# Altium PCB AL1000.PcbDoc (part 4 of 8)
Units mil, origin at the board's own origin, x right, y up, seen from the top; angles counter-clockwise.
Board outline 8277.75 x 4143.89 mil, 4 copper layers (Component Side, Ground Plane, Power Plane, Solder Side), stack 33.234 mil thick; 485 components, 360 nets, 1548 pads, 394 vias.
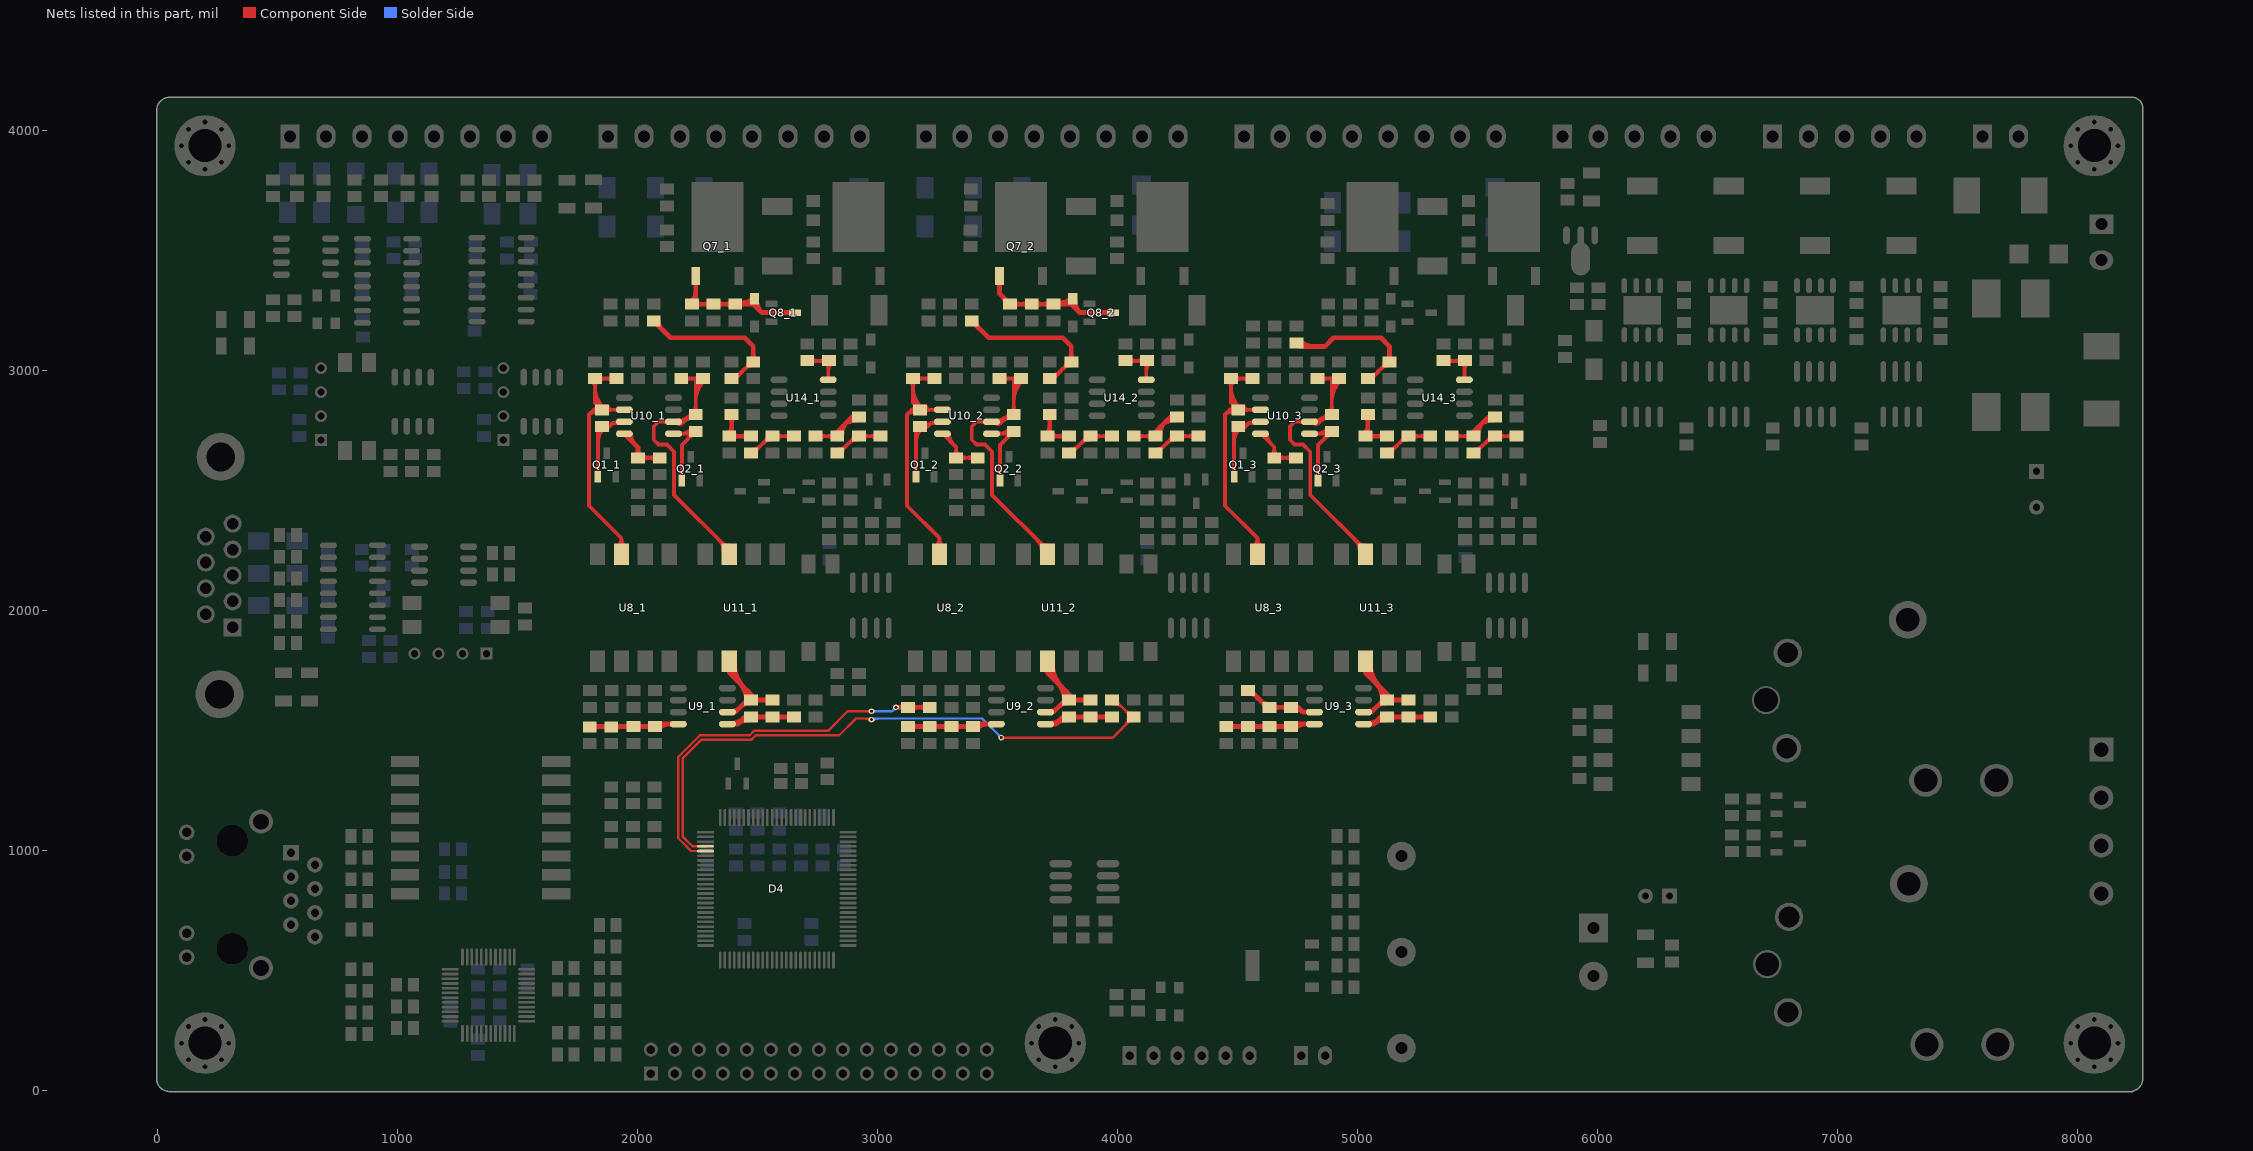
[diagram p6: the nets of this part, all layers, seen from the top]

## Via types
v1: diameter 24, hole 12, Component Side to Solder Side, tented both sides, 224 vias
v2: diameter 40, hole 20, Component Side to Solder Side, tented both sides, 140 vias
v3: diameter 50, hole 24, Component Side to Solder Side, tented both sides, 16 vias
v4: diameter 50, hole 28, Component Side to Solder Side, tented both sides, 10 vias
v5: diameter 50, hole 30, Component Side to Solder Side, tented both sides, 4 vias

## Nets (pads, with @x,y where several pads share a name; then routed paths per layer and width w, separated by ;. In a path a pad name is that pad's centre, name@x,y a point inside that pad or via, vN(x,y) a via of type N, cw(c..) or ccw(c..) an arc to the next point about the centre after c; other vN are vias at no path point) (continued)
NetC35_3_2: C35_3.2 R35_3.1 R37_3.1 U9_3.7 | length 583.2
  Component Side w20: R37_3.1@4542.95,1666.46 4553.54,1666.46 4623.62,1596.38 C35_3.2@4632.95,1596.38 R35_3.1@4722.95,1596.38 4752.99,1596.38 ; R37_3.1@4549.06,1653.62 cw(c4549.06,1611.8) 4578.63,1641.37 ; R37_3.1@4561.89,1666.46 ccw(c4582.04,1666.46) R37_3.1@4567.79,1652.21 ; 4599.43,1620.57 ccw(c4626.85,1647.99) C35_3.2@4626.85,1609.21 ; C35_3.2@4607.22,1612.78 cw(c4590.82,1596.38) C35_3.2@4614.02,1596.38 ; C35_3.2@4648.13,1587.3 cw(c4670.04,1565.39) 4670.04,1596.38 cw(c4670.04,1627.36) C35_3.2@4648.13,1605.45 ; R35_3.1@4707.78,1587.3 ccw(c4685.86,1565.39) 4685.86,1596.38 ccw(c4685.86,1627.36) R35_3.1@4707.78,1605.45 ; R35_3.1@4733.82,1584.46 cw(c4747.28,1550.75) 4772.95,1576.42 ; R35_3.1@4739.75,1589.28 cw(c4752.99,1580.48) 4752.99,1596.38 ; R35_3.1@4739.75,1603.48 ccw(c4752.99,1612.28) 4752.99,1596.38 ; U9_3.7@4820.59,1576.42 4772.95,1576.42 ; 4752.99,1596.38 4772.95,1576.42
NetC36_1_2: C36_1.2 R34_1.1 U10_1.8 | length 418.2
  Component Side w20: U10_1.8@1944.41,2736.38 2001.77,2679.02 C36_1.2@2001.77,2636.46 R34_1.1@2091.77,2636.46 ; U10_1.8@1949.84,2736.38 ccw(c1962.96,2736.38) U10_1.8@1953.68,2727.1 ; U10_1.8@1969.84,2736.38 ccw(c2031.24,2736.38) 1987.83,2692.96 ; C36_1.2@1992.7,2645.53 ccw(c1970.79,2667.44) 2001.77,2667.44 ccw(c2032.76,2667.44) C36_1.2@2010.85,2645.53 ; C36_1.2@2016.95,2627.38 cw(c2038.86,2605.47) 2038.86,2636.46 cw(c2038.86,2667.44) C36_1.2@2016.95,2645.53 ; R34_1.1@2076.59,2627.38 ccw(c2054.68,2605.47) 2054.68,2636.46 ccw(c2054.68,2667.44) R34_1.1@2076.59,2645.53
NetC36_2_2: C36_2.2 R34_2.1 U10_2.8 | length 463.5
  Component Side w16: U10_2.8@3255,2736.42 3272.36,2736.42 3327.36,2681.42 C36_2.2@3327.36,2636.46 R34_2.1@3417.36,2636.46 ; U10_2.8@3281.43,2736.38 ccw(c3303.24,2736.38) 3287.82,2720.96 ; U10_2.8@3297.43,2736.38 ccw(c3357.86,2736.38) 3315.13,2693.65 ; C36_2.2@3316.87,2646.95 ccw(c3291.55,2672.27) 3327.36,2672.27 ccw(c3363.18,2672.27) C36_2.2@3337.85,2646.95 ; C36_2.2@3343.95,2625.97 cw(c3369.28,2600.64) 3369.28,2636.46 cw(c3369.28,2672.27) C36_2.2@3343.95,2646.95 ; R34_2.1@3400.77,2625.97 ccw(c3375.45,2600.64) 3375.45,2636.46 ccw(c3375.45,2672.27) R34_2.1@3400.77,2646.95
NetC36_3_2: C36_3.2 R34_3.1 U10_3.8 | length 463.5
  Component Side w16: U10_3.8@4580.59,2736.42 4597.95,2736.42 4652.95,2681.42 C36_3.2@4652.95,2636.46 R34_3.1@4742.95,2636.46 ; U10_3.8@4607.02,2736.38 ccw(c4628.83,2736.38) 4613.41,2720.96 ; U10_3.8@4623.02,2736.38 ccw(c4683.45,2736.38) 4640.72,2693.65 ; C36_3.2@4642.46,2646.95 ccw(c4617.14,2672.27) 4652.95,2672.27 ccw(c4688.77,2672.27) C36_3.2@4663.44,2646.95 ; C36_3.2@4669.54,2625.97 cw(c4694.87,2600.64) 4694.87,2636.46 cw(c4694.87,2672.27) C36_3.2@4669.54,2646.95 ; R34_3.1@4726.36,2625.97 ccw(c4701.04,2600.64) 4701.04,2636.46 ccw(c4701.04,2672.27) R34_3.1@4726.36,2646.95
NetC37_1_2: C37_1.2 C38_1.2 C39_1.2 L5_1.2 U9_1.8 | length 717.2
  Component Side w20: L5_1.2@1800,1515.04 1801.42,1516.46 C38_1.2@1981.77,1516.46 C37_1.2@2071.77,1516.46 2084.29,1516.46 2094.25,1526.42 U9_1.8@2169.41,1526.42 ; L5_1.2@1815.18,1505.96 cw(c1840.51,1480.63) 1840.51,1516.46 ; L5_1.2@1815.18,1524.11 ccw(c1833.67,1542.6) 1833.67,1516.46 ; 1849.49,1516.46 cw(c1849.49,1480.63) C39_1.2@1874.82,1505.96 ; 1856.33,1516.46 ccw(c1856.33,1542.6) C39_1.2@1874.82,1524.11 ; C39_1.2@1905.18,1505.96 cw(c1930.51,1480.63) 1930.51,1516.46 ; C39_1.2@1905.18,1524.11 ccw(c1923.67,1542.6) 1923.67,1516.46 ; C38_1.2@1966.59,1507.38 ccw(c1944.68,1485.47) 1944.68,1516.46 ccw(c1944.68,1547.44) C38_1.2@1966.59,1525.53 ; C38_1.2@1996.95,1507.38 cw(c2018.86,1485.47) 2018.86,1516.46 cw(c2018.86,1547.44) C38_1.2@1996.95,1525.53 ; C37_1.2@2056.59,1507.38 ccw(c2034.68,1485.47) 2034.68,1516.46 ccw(c2034.68,1547.44) C37_1.2@2056.59,1525.53 ; C37_1.2@2086.95,1507.38 cw(c2132.91,1461.42) 2132.91,1526.42
NetC37_2_2: C37_2.2 C38_2.2 C39_2.2 L5_2.2 U9_2.8 | length 714.8
  Component Side w20: L5_2.2@3127.36,1516.46 C39_2.2@3217.36,1516.46 C38_2.2@3307.36,1516.46 C37_2.2@3397.36,1516.46 3409.88,1516.46 3419.84,1526.42 U9_2.8@3495,1526.42 ; L5_2.2@3142.54,1507.38 cw(c3164.45,1485.47) 3164.45,1516.46 cw(c3164.45,1547.44) L5_2.2@3142.54,1525.53 ; C39_2.2@3202.18,1507.38 ccw(c3180.27,1485.47) 3180.27,1516.46 ccw(c3180.27,1547.44) C39_2.2@3202.18,1525.53 ; C39_2.2@3232.54,1507.38 cw(c3254.45,1485.47) 3254.45,1516.46 cw(c3254.45,1547.44) C39_2.2@3232.54,1525.53 ; C38_2.2@3292.18,1507.38 ccw(c3270.27,1485.47) 3270.27,1516.46 ccw(c3270.27,1547.44) C38_2.2@3292.18,1525.53 ; C38_2.2@3322.54,1507.38 cw(c3344.45,1485.47) 3344.45,1516.46 cw(c3344.45,1547.44) C38_2.2@3322.54,1525.53 ; C37_2.2@3382.18,1507.38 ccw(c3360.27,1485.47) 3360.27,1516.46 ccw(c3360.27,1547.44) C37_2.2@3382.18,1525.53 ; C37_2.2@3412.54,1507.38 cw(c3458.5,1461.42) 3458.5,1526.42
NetC37_3_2: C37_3.2 C38_3.2 C39_3.2 L5_3.2 U9_3.8 | length 714.8
  Component Side w20: L5_3.2@4452.95,1516.46 C39_3.2@4542.95,1516.46 C38_3.2@4632.95,1516.46 C37_3.2@4722.95,1516.46 4735.47,1516.46 4745.43,1526.42 U9_3.8@4820.59,1526.42 ; L5_3.2@4468.13,1507.38 cw(c4490.04,1485.47) 4490.04,1516.46 cw(c4490.04,1547.44) L5_3.2@4468.13,1525.53 ; C39_3.2@4527.78,1507.38 ccw(c4505.86,1485.47) 4505.86,1516.46 ccw(c4505.86,1547.44) C39_3.2@4527.78,1525.53 ; C39_3.2@4558.13,1507.38 cw(c4580.04,1485.47) 4580.04,1516.46 cw(c4580.04,1547.44) C39_3.2@4558.13,1525.53 ; C38_3.2@4617.78,1507.38 ccw(c4595.86,1485.47) 4595.86,1516.46 ccw(c4595.86,1547.44) C38_3.2@4617.78,1525.53 ; C38_3.2@4648.13,1507.38 cw(c4670.04,1485.47) 4670.04,1516.46 cw(c4670.04,1547.44) C38_3.2@4648.13,1525.53 ; C37_3.2@4707.78,1507.38 ccw(c4685.86,1485.47) 4685.86,1516.46 ccw(c4685.86,1547.44) C37_3.2@4707.78,1525.53 ; C37_3.2@4738.13,1507.38 cw(c4784.09,1461.42) 4784.09,1526.42
NetC40_1_1: C40_1.1 C41_1.2 R36_1.1 U8_1.3 U10_1.6 | length 1728
  Component Side w16: C41_1.2@1811.28,2955.89 cw(c1785.96,2930.56) 1821.77,2930.56 cw(c1857.59,2930.56) C41_1.2@1832.26,2955.89 ; 1812.42,2832.03 cw(c1833.06,2811.39) C40_1.1@1846.19,2837.46 ; 1821.77,2891.3 ccw(c1900.55,2891.3) C40_1.1@1844.85,2835.59 ; 1821.77,2929.93 ccw(c1939.18,2929.93) C40_1.1@1856.16,2846.91 ; C41_1.2@1821.77,2966.38 C41_1.2@1831.77,2966.38 ; C40_1.1@1830.76,2857.43 ccw(c1845.67,2872.33) C40_1.1@1845.67,2851.25 ; C40_1.1@1830.99,2838.57 ccw(c1798.68,2843.32) 1821.77,2866.42 ; C40_1.1@1833.61,2827.78 ccw(c1816.81,2815.77) 1816.81,2836.42 ; C40_1.1@1833.61,2845.05 cw(c1816.81,2857.07) 1816.81,2836.42 ; C41_1.2@1838.36,2955.89 cw(c1863.69,2930.56) 1863.69,2966.38 cw(c1863.69,3002.19) C41_1.2@1838.36,2976.87 ; C40_1.1@1839,2823.17 ccw(c1822.58,2790.57) 1796.77,2816.38 ; C40_1.1@1868.36,2825.93 cw(c1893.69,2800.6) 1893.69,2836.42 cw(c1893.69,2872.23) C40_1.1@1868.36,2846.91 ; C40_1.1@1869.93,2827.77 cw(c1886.77,2815.69) 1886.77,2836.42 ; C40_1.1@1869.93,2845.06 ccw(c1886.77,2857.14) 1886.77,2836.42 ; R36_1.1@1895.18,2955.89 ccw(c1869.86,2930.56) 1869.86,2966.38 ccw(c1869.86,3002.19) R36_1.1@1895.18,2976.87 ; 1908.71,2836.42 cw(c1908.71,2822.33) U10_1.6@1918.67,2832.29 ; 1908.9,2836.42 ccw(c1908.9,2850.24) U10_1.6@1918.67,2840.46 ; R36_1.1@1911.77,2966.38 C41_1.2@1831.77,2966.38 ; U8_1.3@1915.82,2264.89 ccw(c1882.07,2301.37) 1931.77,2301.37 ; U10_1.6@1929.41,2836.42 1886.77,2836.42 ; U8_1.3@1931.77,2233.86 1931.77,2301.38 ; U8_1.3@1947.73,2264.89 cw(c1981.47,2301.37) 1931.77,2301.37 ; 1796.77,2816.38 1796.77,2436.38 1931.77,2301.38 ; 1796.77,2816.38 1816.81,2836.42 ; 1816.81,2836.42 C40_1.1@1851.77,2836.42 C40_1.1@1836.69,2851.5 ; 1821.77,2866.42 C40_1.1@1836.69,2851.5 ; 1821.77,2866.42 1821.77,2956.38 C41_1.2@1831.77,2966.38 ; C40_1.1@1836.69,2851.5 1871.69,2851.5 1886.77,2836.42
NetC40_1_2: C40_1.2 Q1_1.1 U10_1.7 | length 522.6
  Component Side w16: Q1_1.1@1830.28,2572.08 ccw(c1820.42,2581.95) 1834.37,2581.95 ccw(c1848.32,2581.95) Q1_1.1@1838.46,2572.08 ; Q1_1.1@1834.37,2557.17 1834.37,2748.94 C40_1.2@1851.77,2766.34 1881.69,2766.34 ; 1834.37,2703.25 cw(c1908.76,2703.25) C40_1.2@1856.16,2755.85 ; 1834.37,2741.87 cw(c1870.13,2741.87) C40_1.2@1844.85,2767.16 ; C40_1.2@1857.22,2765.38 ccw(c1868.73,2782.2) 1883.14,2767.79 ; C40_1.2@1866.25,2778.58 ccw(c1879.8,2798.38) 1896.77,2781.42 ; C40_1.2@1871.19,2759.8 cw(c1881.69,2754.64) 1881.69,2766.34 ; C40_1.2@1871.19,2772.88 ccw(c1881.69,2778.04) 1881.69,2766.34 ; 1896.83,2781.42 ccw(c1896.83,2812.31) U10_1.7@1918.67,2790.46 ; U10_1.7@1929.41,2786.42 1924.41,2781.42 1896.77,2781.42 ; 1881.69,2766.34 1896.77,2781.42
NetC40_2_1: C40_2.1 C41_2.2 R36_2.1 U8_2.3 U10_2.6 | length 1728
  Component Side w16: C41_2.2@3136.87,2955.89 cw(c3111.55,2930.56) 3147.36,2930.56 cw(c3183.18,2930.56) C41_2.2@3157.85,2955.89 ; 3138.01,2832.03 cw(c3158.65,2811.39) C40_2.1@3171.78,2837.46 ; 3147.36,2891.3 ccw(c3226.14,2891.3) C40_2.1@3170.44,2835.59 ; 3147.36,2929.93 ccw(c3264.77,2929.93) C40_2.1@3181.75,2846.91 ; C41_2.2@3147.36,2966.38 C41_2.2@3157.36,2966.38 ; C40_2.1@3156.35,2857.43 ccw(c3171.26,2872.33) C40_2.1@3171.26,2851.25 ; C40_2.1@3156.58,2838.57 ccw(c3124.27,2843.32) 3147.36,2866.42 ; C40_2.1@3159.2,2827.78 ccw(c3142.4,2815.77) 3142.4,2836.42 ; C40_2.1@3159.2,2845.05 cw(c3142.4,2857.07) 3142.4,2836.42 ; C41_2.2@3163.95,2955.89 cw(c3189.28,2930.56) 3189.28,2966.38 cw(c3189.28,3002.19) C41_2.2@3163.95,2976.87 ; C40_2.1@3164.59,2823.17 ccw(c3148.17,2790.57) 3122.36,2816.38 ; C40_2.1@3193.95,2825.93 cw(c3219.28,2800.6) 3219.28,2836.42 cw(c3219.28,2872.23) C40_2.1@3193.95,2846.91 ; C40_2.1@3195.52,2827.77 cw(c3212.36,2815.69) 3212.36,2836.42 ; C40_2.1@3195.52,2845.06 ccw(c3212.36,2857.14) 3212.36,2836.42 ; R36_2.1@3220.77,2955.89 ccw(c3195.45,2930.56) 3195.45,2966.38 ccw(c3195.45,3002.19) R36_2.1@3220.77,2976.87 ; 3234.3,2836.42 cw(c3234.3,2822.33) U10_2.6@3244.26,2832.29 ; 3234.49,2836.42 ccw(c3234.49,2850.24) U10_2.6@3244.26,2840.46 ; R36_2.1@3237.36,2966.38 C41_2.2@3157.36,2966.38 ; U8_2.3@3241.41,2264.89 ccw(c3207.66,2301.37) 3257.36,2301.37 ; U10_2.6@3255,2836.42 3212.36,2836.42 ; U8_2.3@3257.36,2233.86 3257.36,2301.38 ; U8_2.3@3273.32,2264.89 cw(c3307.06,2301.37) 3257.36,2301.37 ; 3122.36,2816.38 3122.36,2436.38 3257.36,2301.38 ; 3122.36,2816.38 3142.4,2836.42 ; 3142.4,2836.42 C40_2.1@3177.36,2836.42 C40_2.1@3162.28,2851.5 ; 3147.36,2866.42 3147.36,2956.38 C41_2.2@3157.36,2966.38 ; 3147.36,2866.42 C40_2.1@3162.28,2851.5 ; C40_2.1@3162.28,2851.5 3197.28,2851.5 3212.36,2836.42
NetC40_2_2: C40_2.2 Q1_2.1 U10_2.7 | length 522.6
  Component Side w16: Q1_2.1@3155.87,2572.08 ccw(c3146.01,2581.95) 3159.96,2581.95 ccw(c3173.91,2581.95) Q1_2.1@3164.05,2572.08 ; Q1_2.1@3159.96,2557.17 3159.96,2748.94 C40_2.2@3177.36,2766.34 3207.28,2766.34 ; 3159.96,2703.25 cw(c3234.35,2703.25) C40_2.2@3181.75,2755.85 ; 3159.96,2741.87 cw(c3195.72,2741.87) C40_2.2@3170.44,2767.16 ; C40_2.2@3182.81,2765.38 ccw(c3194.32,2782.2) 3208.73,2767.79 ; C40_2.2@3191.84,2778.58 ccw(c3205.39,2798.38) 3222.36,2781.42 ; C40_2.2@3196.78,2759.8 cw(c3207.28,2754.64) 3207.28,2766.34 ; C40_2.2@3196.78,2772.88 ccw(c3207.28,2778.04) 3207.28,2766.34 ; 3222.42,2781.42 ccw(c3222.42,2812.31) U10_2.7@3244.26,2790.46 ; U10_2.7@3255,2786.42 3250,2781.42 3222.36,2781.42 ; 3207.28,2766.34 3222.36,2781.42
NetC40_3_1: C40_3.1 C41_3.2 R36_3.1 U8_3.3 U10_3.6 | length 1728
  Component Side w16: C41_3.2@4462.46,2955.89 cw(c4437.14,2930.56) 4472.95,2930.56 cw(c4508.77,2930.56) C41_3.2@4483.44,2955.89 ; 4463.6,2832.03 cw(c4484.24,2811.39) C40_3.1@4497.37,2837.46 ; 4472.95,2891.3 ccw(c4551.73,2891.3) C40_3.1@4496.03,2835.59 ; 4472.95,2929.93 ccw(c4590.36,2929.93) C40_3.1@4507.34,2846.91 ; C41_3.2@4472.95,2966.38 C41_3.2@4482.95,2966.38 ; C40_3.1@4481.94,2857.43 ccw(c4496.85,2872.33) C40_3.1@4496.85,2851.25 ; C40_3.1@4482.17,2838.57 ccw(c4449.86,2843.32) 4472.95,2866.42 ; C40_3.1@4484.79,2827.78 ccw(c4467.99,2815.77) 4467.99,2836.42 ; C40_3.1@4484.79,2845.05 cw(c4467.99,2857.07) 4467.99,2836.42 ; C41_3.2@4489.54,2955.89 cw(c4514.87,2930.56) 4514.87,2966.38 cw(c4514.87,3002.19) C41_3.2@4489.54,2976.87 ; C40_3.1@4490.18,2823.17 ccw(c4473.76,2790.57) 4447.95,2816.38 ; C40_3.1@4519.54,2825.93 cw(c4544.87,2800.6) 4544.87,2836.42 cw(c4544.87,2872.23) C40_3.1@4519.54,2846.91 ; C40_3.1@4521.11,2827.77 cw(c4537.95,2815.69) 4537.95,2836.42 ; C40_3.1@4521.11,2845.06 ccw(c4537.95,2857.14) 4537.95,2836.42 ; R36_3.1@4546.36,2955.89 ccw(c4521.04,2930.56) 4521.04,2966.38 ccw(c4521.04,3002.19) R36_3.1@4546.36,2976.87 ; 4559.89,2836.42 cw(c4559.89,2822.33) U10_3.6@4569.85,2832.29 ; 4560.08,2836.42 ccw(c4560.08,2850.24) U10_3.6@4569.85,2840.46 ; R36_3.1@4562.95,2966.38 C41_3.2@4482.95,2966.38 ; U8_3.3@4567,2264.89 ccw(c4533.25,2301.37) 4582.95,2301.37 ; U10_3.6@4580.59,2836.42 4537.95,2836.42 ; U8_3.3@4582.95,2233.86 4582.95,2301.38 ; U8_3.3@4598.91,2264.89 cw(c4632.65,2301.37) 4582.95,2301.37 ; 4447.95,2816.38 4447.95,2436.38 4582.95,2301.38 ; 4447.95,2816.38 4467.99,2836.42 ; 4467.99,2836.42 C40_3.1@4502.95,2836.42 C40_3.1@4487.87,2851.5 ; 4472.95,2866.42 4472.95,2956.38 C41_3.2@4482.95,2966.38 ; 4472.95,2866.42 C40_3.1@4487.87,2851.5 ; C40_3.1@4487.87,2851.5 4522.87,2851.5 4537.95,2836.42
NetC40_3_2: C40_3.2 Q1_3.1 U10_3.7 | length 522.6
  Component Side w16: Q1_3.1@4481.46,2572.08 ccw(c4471.6,2581.95) 4485.55,2581.95 ccw(c4499.5,2581.95) Q1_3.1@4489.64,2572.08 ; Q1_3.1@4485.55,2557.17 4485.55,2748.94 C40_3.2@4502.95,2766.34 4532.87,2766.34 ; 4485.55,2703.25 cw(c4559.94,2703.25) C40_3.2@4507.34,2755.85 ; 4485.55,2741.87 cw(c4521.32,2741.87) C40_3.2@4496.03,2767.16 ; C40_3.2@4508.4,2765.38 ccw(c4519.91,2782.2) 4534.32,2767.79 ; C40_3.2@4517.43,2778.58 ccw(c4530.98,2798.38) 4547.95,2781.42 ; C40_3.2@4522.37,2759.8 cw(c4532.87,2754.64) 4532.87,2766.34 ; C40_3.2@4522.37,2772.88 ccw(c4532.87,2778.04) 4532.87,2766.34 ; 4548.01,2781.42 ccw(c4548.01,2812.31) U10_3.7@4569.85,2790.46 ; U10_3.7@4580.59,2786.42 4575.59,2781.42 4547.95,2781.42 ; 4532.87,2766.34 4547.95,2781.42
NetC42_2_2: C42_2.2 D4.30 R37_2.2 | length 1834.6
  Component Side w10: D4.30@2282.76,997.48 2222.52,997.48 2205,1015 2205,1015.36 2190.36,1030 2190,1030 2169,1051 2169,1389.91 2259.09,1480 2467.37,1480 2485.37,1498 2793,1498 2875,1580 v1(2975,1580) ; v1@2970.05,1575.05 ccw(c2958.1,1563.1) 2958.1,1580 ccw(c2958.1,1596.9) v1@2970.05,1584.95
  Component Side w20: v1(3076.38,1596.38) C42_2.2@3127.36,1596.38 R37_2.2@3217.36,1596.38 ; C42_2.2@3112.18,1587.3 ccw(c3090.27,1565.39) 3090.27,1596.38 ccw(c3090.27,1627.36) C42_2.2@3112.18,1605.45 ; C42_2.2@3142.54,1587.3 cw(c3164.45,1565.39) 3164.45,1596.38 cw(c3164.45,1627.36) C42_2.2@3142.54,1605.45 ; R37_2.2@3202.18,1587.3 ccw(c3180.27,1565.39) 3180.27,1596.38 ccw(c3180.27,1627.36) R37_2.2@3202.18,1605.45
  Solder Side w10: v1(2975,1580) 3060,1580 v1(3076.38,1596.38) ; v1@2979.95,1575.05 cw(c2991.9,1563.1) 2991.9,1580 cw(c2991.9,1596.9) v1@2979.95,1584.95 ; v1@3069.38,1596.38 cw(c3052.48,1596.38) 3064.43,1584.43 cw(c3076.38,1572.48) v1@3076.38,1589.38
NetC43_1_1: C43_1.1 R40_1.2 U9_1.2 U11_1.6 | length 903.4
  Component Side w20: U11_1.6@2372.67,1755.72 cw(c2365.98,1741.42) 2381.77,1741.42 ; U9_1.2@2374.13,1576.42 2406.77,1576.42 2456.81,1626.46 R40_1.2@2471.77,1626.46 ; U11_1.6@2381.77,1788.98 2381.77,1741.42 ; U11_1.6@2383.27,1775.2 ccw(c2468.43,1775.2) 2408.21,1714.98 ; U11_1.6@2390.88,1755.72 ccw(c2397.56,1741.42) 2381.77,1741.42 ; U9_1.2@2395.79,1580.2 ccw(c2395.79,1615.84) 2420.99,1590.64 ; U11_1.6@2403.27,1775.2 ccw(c2536.71,1775.2) 2442.35,1680.84 ; 2421.79,1701.39 cw(c2346.86,1626.46) R40_1.2@2452.83,1626.46 ; 2428.64,1598.28 cw(c2465.67,1561.25) R40_1.2@2465.67,1613.62 ; 2455.94,1667.25 cw(c2415.14,1626.46) R40_1.2@2472.83,1626.46 ; R40_1.2@2486.95,1617.38 cw(c2508.86,1595.47) 2508.86,1626.46 cw(c2508.86,1657.44) R40_1.2@2486.95,1635.53 ; R40_1.2@2490.08,1633.11 cw(c2483.43,1626.46) R40_1.2@2492.83,1626.46 ; C43_1.1@2546.59,1617.38 ccw(c2524.68,1595.47) 2524.68,1626.46 ccw(c2524.68,1657.44) C43_1.1@2546.59,1635.53 ; C43_1.1@2561.77,1626.46 2496.73,1626.46 2381.77,1741.42
NetC43_1_2: C43_1.2 R40_1.1 R42_1.1 U9_1.1 | length 584.1
  Component Side w20: U9_1.1@2374.13,1526.42 2416.77,1526.42 ; U9_1.1@2395.79,1530.2 ccw(c2395.79,1589.98) 2438.06,1547.71 ; R40_1.1@2464.47,1543.6 ccw(c2458.88,1484.31) 2416.77,1526.42 ; R40_1.1@2486.95,1547.3 cw(c2508.86,1525.39) 2508.86,1556.38 cw(c2508.86,1587.36) R40_1.1@2486.95,1565.45 ; C43_1.2@2546.59,1547.3 ccw(c2524.68,1525.39) 2524.68,1556.38 ccw(c2524.68,1587.36) C43_1.2@2546.59,1565.45 ; C43_1.2@2576.95,1547.3 cw(c2598.86,1525.39) 2598.86,1556.38 cw(c2598.86,1587.36) C43_1.2@2576.95,1565.45 ; R42_1.1@2636.59,1547.3 ccw(c2614.68,1525.39) 2614.68,1556.38 ccw(c2614.68,1587.36) R42_1.1@2636.59,1565.45 ; R42_1.1@2651.77,1556.38 C43_1.2@2561.77,1556.38 R40_1.1@2471.77,1556.38 2446.73,1556.38 2416.77,1526.42
NetC43_2_1: C43_2.1 R40_2.2 U9_2.2 U11_2.6 | length 903.4
  Component Side w20: U11_2.6@3698.26,1755.72 cw(c3691.57,1741.42) 3707.36,1741.42 ; U9_2.2@3699.72,1576.42 3732.36,1576.42 3782.4,1626.46 R40_2.2@3797.36,1626.46 ; U11_2.6@3707.36,1788.98 3707.36,1741.42 ; U11_2.6@3708.86,1775.2 ccw(c3794.02,1775.2) 3733.8,1714.98 ; U11_2.6@3716.47,1755.72 ccw(c3723.15,1741.42) 3707.36,1741.42 ; U9_2.2@3721.38,1580.2 ccw(c3721.38,1615.84) 3746.58,1590.64 ; U11_2.6@3728.86,1775.2 ccw(c3862.3,1775.2) 3767.94,1680.84 ; 3747.39,1701.39 cw(c3672.45,1626.46) R40_2.2@3778.43,1626.46 ; 3754.23,1598.28 cw(c3791.26,1561.25) R40_2.2@3791.26,1613.62 ; 3781.53,1667.25 cw(c3740.73,1626.46) R40_2.2@3798.43,1626.46 ; R40_2.2@3812.54,1617.38 cw(c3834.45,1595.47) 3834.45,1626.46 cw(c3834.45,1657.44) R40_2.2@3812.54,1635.53 ; R40_2.2@3815.67,1633.11 cw(c3809.02,1626.46) R40_2.2@3818.43,1626.46 ; C43_2.1@3872.18,1617.38 ccw(c3850.27,1595.47) 3850.27,1626.46 ccw(c3850.27,1657.44) C43_2.1@3872.18,1635.53 ; C43_2.1@3887.36,1626.46 3822.32,1626.46 3707.36,1741.42
NetC43_2_2: C43_2.2 R40_2.1 R42_2.1 U9_2.1 | length 584.1
  Component Side w20: U9_2.1@3699.72,1526.42 3742.36,1526.42 ; U9_2.1@3721.38,1530.2 ccw(c3721.38,1589.98) 3763.65,1547.71 ; R40_2.1@3790.06,1543.6 ccw(c3784.48,1484.31) 3742.36,1526.42 ; R40_2.1@3812.54,1547.3 cw(c3834.45,1525.39) 3834.45,1556.38 cw(c3834.45,1587.36) R40_2.1@3812.54,1565.45 ; C43_2.2@3872.18,1547.3 ccw(c3850.27,1525.39) 3850.27,1556.38 ccw(c3850.27,1587.36) C43_2.2@3872.18,1565.45 ; C43_2.2@3902.54,1547.3 cw(c3924.45,1525.39) 3924.45,1556.38 cw(c3924.45,1587.36) C43_2.2@3902.54,1565.45 ; R42_2.1@3962.18,1547.3 ccw(c3940.27,1525.39) 3940.27,1556.38 ccw(c3940.27,1587.36) R42_2.1@3962.18,1565.45 ; R42_2.1@3977.36,1556.38 C43_2.2@3887.36,1556.38 R40_2.1@3797.36,1556.38 3772.32,1556.38 3742.36,1526.42
NetC43_3_1: C43_3.1 R40_3.2 U9_3.2 U11_3.6 | length 903.4
  Component Side w20: U11_3.6@5023.85,1755.72 cw(c5017.16,1741.42) 5032.95,1741.42 ; U9_3.2@5025.32,1576.42 5057.95,1576.42 5107.99,1626.46 R40_3.2@5122.95,1626.46 ; U11_3.6@5032.95,1788.98 5032.95,1741.42 ; U11_3.6@5034.45,1775.2 ccw(c5119.61,1775.2) 5059.39,1714.98 ; U11_3.6@5042.06,1755.72 ccw(c5048.74,1741.42) 5032.95,1741.42 ; U9_3.2@5046.97,1580.2 ccw(c5046.97,1615.84) 5072.17,1590.64 ; U11_3.6@5054.45,1775.2 ccw(c5187.9,1775.2) 5093.53,1680.84 ; 5072.98,1701.39 cw(c4998.04,1626.46) R40_3.2@5104.02,1626.46 ; 5079.82,1598.28 cw(c5116.85,1561.25) R40_3.2@5116.85,1613.62 ; 5107.12,1667.25 cw(c5066.32,1626.46) R40_3.2@5124.02,1626.46 ; R40_3.2@5138.13,1617.38 cw(c5160.04,1595.47) 5160.04,1626.46 cw(c5160.04,1657.44) R40_3.2@5138.13,1635.53 ; R40_3.2@5141.26,1633.11 cw(c5134.61,1626.46) R40_3.2@5144.02,1626.46 ; C43_3.1@5197.78,1617.38 ccw(c5175.86,1595.47) 5175.86,1626.46 ccw(c5175.86,1657.44) C43_3.1@5197.78,1635.53 ; C43_3.1@5212.95,1626.46 5147.91,1626.46 5032.95,1741.42
NetC43_3_2: C43_3.2 R40_3.1 R42_3.1 U9_3.1 | length 584.1
  Component Side w20: U9_3.1@5025.32,1526.42 5067.95,1526.42 ; U9_3.1@5046.97,1530.2 ccw(c5046.97,1589.98) 5089.24,1547.71 ; R40_3.1@5115.65,1543.6 ccw(c5110.07,1484.31) 5067.95,1526.42 ; R40_3.1@5138.13,1547.3 cw(c5160.04,1525.39) 5160.04,1556.38 cw(c5160.04,1587.36) R40_3.1@5138.13,1565.45 ; C43_3.2@5197.78,1547.3 ccw(c5175.86,1525.39) 5175.86,1556.38 ccw(c5175.86,1587.36) C43_3.2@5197.78,1565.45 ; C43_3.2@5228.13,1547.3 cw(c5250.04,1525.39) 5250.04,1556.38 cw(c5250.04,1587.36) C43_3.2@5228.13,1565.45 ; R42_3.1@5287.78,1547.3 ccw(c5265.86,1525.39) 5265.86,1556.38 ccw(c5265.86,1587.36) R42_3.1@5287.78,1565.45 ; R42_3.1@5302.95,1556.38 C43_3.2@5212.95,1556.38 R40_3.1@5122.95,1556.38 5097.91,1556.38 5067.95,1526.42